# Altium PCB FPGA_Board.PcbDoc (part 1 of 3) (continued)
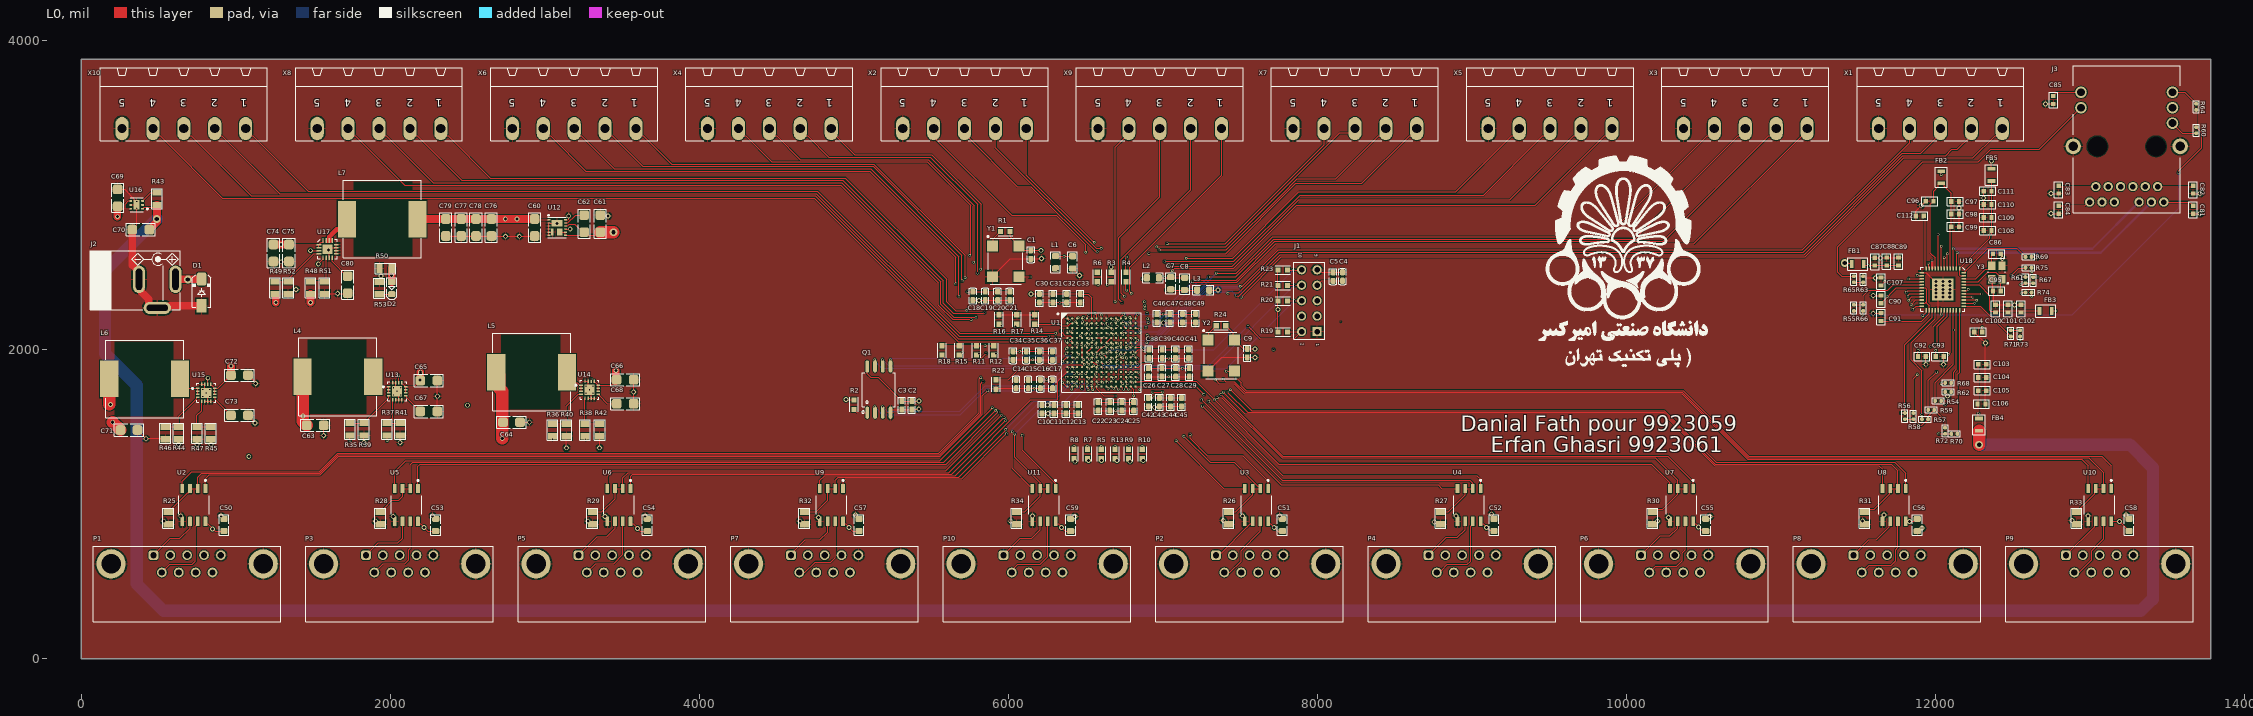
[diagram p0: L0 view]
## Components (designator, comment, footprint, x,y, rotation, side; value= is the part's Value field where it differs from the comment)
C1 "Capacitor C SMD 0603" C0603 6145,2615 r90 top value=100nf
C2 "Capacitor C SMD 0603" C0603 5375,1640 r90 top value=1uf
C3 "Capacitor C SMD 0603" C0603 5310,1640 r90 top value=100nf
C4 "Capacitor C SMD 0603" C0603 8161.5,2472.99 r270 top value=1uf
C5 "Capacitor C SMD 0603" C0603 8100,2472.56 r270 top value=100nf
C6 "Capacitor C SMD 0805" C0805 6415,2565 r270 top value=10uf
C7 "Capacitor C SMD 0805" C0805 7050,2430 r270 top value=100nf
C8 "Capacitor C SMD 0805" C0805 7140,2425 r270 top value=4.7uf
C9 "Capacitor C SMD 0603" C0603 7545,1977.44 r90 top value=100nf
C10 "Capacitor C SMD 0603" C0603 6217.44,1615 r90 top value=4.7uf
C11 "Capacitor C SMD 0603" C0603 6294.96,1615 r90 top value=1uf
C12 "Capacitor C SMD 0603" C0603 6372.48,1615 r90 top value=100nf
C13 "Capacitor C SMD 0603" C0603 6450,1615 r90 top value=10nf
C14 "Capacitor C SMD 0603" C0603 6050,1777.44 r90 top value=4.7uf
C15 "Capacitor C SMD 0603" C0603 6128.33,1777.44 r90 top value=1uf
C16 "Capacitor C SMD 0603" C0603 6206.67,1777.44 r90 top value=100nf
C17 "Capacitor C SMD 0603" C0603 6285,1777.44 r90 top value=10nf
C18 "Capacitor C SMD 0603" C0603 5770,2347.44 r90 top value=4.7uf
C19 "Capacitor C SMD 0603" C0603 5850,2347.44 r90 top value=1uf
C20 "Capacitor C SMD 0603" C0603 5930,2347.44 r90 top value=100nf
C21 "Capacitor C SMD 0603" C0603 6010,2347.44 r90 top value=10nf
C22 "Capacitor C SMD 0603" C0603 6580,1632.44 r90 top value=4.7uf
C23 "Capacitor C SMD 0603" C0603 6656.67,1632.44 r90 top value=1uf
C24 "Capacitor C SMD 0603" C0603 6733.33,1632.44 r90 top value=100nf
C25 "Capacitor C SMD 0603" C0603 6810,1632.44 r90 top value=10nf
C26 "Capacitor C SMD 0603" C0603 6905,1852.44 r90 top value=4.7uf
C27 "Capacitor C SMD 0603" C0603 6993.33,1852.44 r90 top value=1uf
C28 "Capacitor C SMD 0603" C0603 7081.67,1852.44 r90 top value=100nf
C29 "Capacitor C SMD 0603" C0603 7170,1852.44 r90 top value=10nf
C30 "Capacitor C SMD 0603" C0603 6200,2332.44 r90 top value=4.7uf
C31 "Capacitor C SMD 0603" C0603 6288.33,2332.44 r90 top value=1uf
C32 "Capacitor C SMD 0603" C0603 6376.67,2332.44 r90 top value=100nf
C33 "Capacitor C SMD 0603" C0603 6465,2332.44 r90 top value=10nf
C34 "Capacitor C SMD 0603" C0603 6030,1961.5 r90 top value=4.7uf
C35 "Capacitor C SMD 0603" C0603 6115,1961.5 r90 top value=1uf
C36 "Capacitor C SMD 0603" C0603 6200,1961.5 r90 top value=100nf
C37 "Capacitor C SMD 0603" C0603 6285,1961.5 r90 top value=10nf
C38 "Capacitor C SMD 0603" C0603 6910,1972.44 r90 top value=4.7uf
C39 "Capacitor C SMD 0603" C0603 6995,1972.44 r90 top value=1uf
C40 "Capacitor C SMD 0603" C0603 7080,1972.44 r90 top value=100nf
C41 "Capacitor C SMD 0603" C0603 7165,1972.44 r90 top value=10nf
C42 "Capacitor C SMD 0603" C0603 6905,1660 r90 top value=4.7uf
C43 "Capacitor C SMD 0603" C0603 6976.67,1660 r90 top value=1uf
C44 "Capacitor C SMD 0603" C0603 7048.33,1660 r90 top value=100nf
C45 "Capacitor C SMD 0603" C0603 7120,1660 r90 top value=10nf
C46 "Capacitor C SMD 0603" C0603 6960,2202.56 r90 top value=4.7uf
C47 "Capacitor C SMD 0603" C0603 7043.33,2202.56 r90 top value=1uf
C48 "Capacitor C SMD 0603" C0603 7126.67,2202.56 r90 top value=100nf
C49 "Capacitor C SMD 0603" C0603 7210,2202.56 r90 top value=10nf
C50 "Capacitor C SMD 0805" C0805 925,865.63 r270 top value=100nf
C51 "Capacitor C SMD 0805" C0805 7772.22,865.63 r270 top value=100nf
C52 "Capacitor C SMD 0805" C0805 9141.67,865.63 r270 top value=100nf
C53 "Capacitor C SMD 0805" C0805 2294.44,865.63 r270 top value=100nf
C54 "Capacitor C SMD 0805" C0805 3663.89,865.63 r270 top value=100nf
C55 "Capacitor C SMD 0805" C0805 10511.11,865.63 r270 top value=100nf
C56 "Capacitor C SMD 0805" C0805 11880,865 r90 top value=100nf
C57 "Capacitor C SMD 0805" C0805 5033.33,865.63 r270 top value=100nf
C58 "Capacitor C SMD 0805" C0805 13250,865.63 r270 top value=100nf
C59 "Capacitor C SMD 0805" C0805 6402.78,865.63 r270 top value=100nf
C60 "Capacitor C SMD 1206" C1206 2935,2790 r90 top value=10uf
C61 "Capacitor C SMD 1206" C1206 3360,2815 r270 top value=10uf
C62 "Capacitor C SMD 1206" C1206 3255,2815 r270 top value=560pf
C63 "Capacitor C SMD 1206" C1206 1515,1510 r180 top value=22uf
C64 "Capacitor C SMD 1206" C1206 2785,1530 r180 top value=22uf
C65 "Capacitor C SMD 1206" C1206 2250,1800 r180 top value=10uf
C66 "Capacitor C SMD 1206" C1206 3520,1805 r180 top value=10uf
C67 "Capacitor C SMD 1206" C1206 2250,1600 r180 top value=3.3nf
C68 "Capacitor C SMD 1206" C1206 3520,1650 r180 top value=3.3nf
C69 "Capacitor C SMD 1206" C1206 236.61,2981.65 r270 top value=22uf
C70 "Capacitor C SMD 1206" C1206 386.61,2776.65 r0 top value=10uf
C71 "Capacitor C SMD 1206" C1206 310,1480 r180 top value=22uf
C72 "Capacitor C SMD 1206" C1206 1025,1835 r180 top value=10uf
C73 "Capacitor C SMD 1206" C1206 1025,1575 r180 top value=3.3nf
C74 "Capacitor C SMD 1206" C1206 1245,2625 r90 top value=10uf
C75 "Capacitor C SMD 1206" C1206 1345,2625 r90 top value=10uf
C76 "Capacitor C SMD 1206" C1206 2655,2790 r90 top value=22uf
C77 "Capacitor C SMD 1206" C1206 2460,2790.12 r90 top value=10uf
C78 "Capacitor C SMD 1206" C1206 2555,2790 r90 top value=10uf
C79 "Capacitor C SMD 1206" C1206 2360,2790 r90 top value=10uf
C80 "Capacitor C SMD 1206" C1206 1725,2420 r90 top value=10uf
C81 "100n" C0603_small 13665,2905 r90 top value=100nF
C82 "100n" C0603_small 13665,3035 r90 top value=100nF
C83 "100n" C0603_small 12795,3035 r90 top value=100nF
C84 "100n" C0603_small 12795,2905 r90 top value=100nF
C85 "100n" C0603_small 12760,3615 r270 top value=100nF
C86 "22pF" C0603_small 12395,2620 r0 top
C87 "10u" C0603_small 11605,2569.41 r90 top value=10µF
C88 "100n" C0603_small 11682.14,2570.59 r90 top value=100nF
C89 "10n" C0603_small 11759.29,2570 r90 top value=10nF
C90 "10n" C0603_small 11645,2325 r90 top value=10nF
C91 "10n" C0603_small 11645,2210.59 r90 top value=10nF
C92 "10n" C0603_small 11910,1955 r0 top value=10nF
C93 "10n" C0603_small 12025,1955 r0 top value=10nF
C94 "10n" C0603_small 12274.41,2115 r180 top value=10nF
C95 "22pF" C0603_small 12395,2380 r180 top
C96 "10u" C0603_small 11960,2960 r180 top value=10µF
C97 "100n" C0603_small 12125,2958.33 r0 top value=100nF
C98 "10n" C0603_small 12125,2876.67 r0 top value=10nF
C99 "10n" C0603_small 12125,2795 r0 top value=10nF
C100 "10u" C0603_small 12385,2265 r90 top value=10µF
C101 "100n" C0603_small 12467.5,2265 r90 top value=100nF
C102 "10n" C0603_small 12550,2265 r90 top value=10nF
C103 "10u" C0603_small 12300,1905 r0 top value=10µF
C104 "100n" C0603_small 12300,1819.58 r0 top value=100nF
C105 "10n" C0603_small 12300,1734.17 r0 top value=10nF
C106 "10n" C0603_small 12295,1648.75 r0 top value=10nF
C107 "10n" C0603_small 11645,2440.59 r90 top value=10nF
C108 "10u" C0603_small 12335,2770 r180 top value=10µF
C109 "100n" C0603_small 12335,2855 r180 top value=100nF
C110 "10n" C0603_small 12335,2940 r180 top value=10nF
C111 "10n" C0603_small 12335,3025 r180 top value=10nF
C112 "10n" C0603_small 11895.59,2865 r180 top value=10nF
D1 "1N4007 SMD M7" D_SMA 780,2370 r90 top value=1N4007
D2 "LED SMD 0805" "LED SMD 0805 (Blue)" 2010,2398.19 r270 top
FB1 "BLM18KG101TN1D" R0805_small 11495,2555 r0 top
FB2 "BLM18KG101TN1D" R0805_small 12035,3115 r270 top
FB3 "BLM15AX601SN1D" R0805_small 12710,2250 r180 top
FB4 "BLM18KG101TN1D" R0805_small 12280,1515 r90 top
FB5 "BLM18KG101TN1D" R0805_small 12360,3130 r270 top
J1 "Header 5X2" HDR2X5 7997.01,2116.5 r90 top
J2 "Power Jack" "POWER J1" 611.22,2455 r90 top
J3 "L829-1J1T-43" L829-1J1T-43 13235,3360 r0 top
L1 "Inductor SMD NC 0805" L0805 6305,2565.63 r90 top value=200ohm
L2 "Inductor SMD NC 0805" L0805 6934.37,2465 r0 top value=200ohm
L3 "Inductor SMD NC 0805" L0805 7260,2385 r0 top value=200ohm
L4 "Inductor SMD Cored" L_12 1661.65,1825 r180 top value="1uH 2.5A"
L5 "Inductor SMD Cored" L_12 2915,1855 r180 top value="2.2uH 6.3A"
L6 "Inductor SMD Cored" L_12 411.65,1810 r180 top value="1uH 2.5A"
L7 "Inductor SMD Cored" L_12 1948.35,2845 r0 top value="2.2uH 6.3A"
P1 "618009231221" 618009231221 686.69,484.17 r0 top
P2 "618009231221" 618009231221 7560.75,484.17 r0 top
P3 "618009231221" 618009231221 2061.51,484.17 r0 top
P4 "618009231221" 618009231221 8935.56,484.17 r0 top
P5 "618009231221" 618009231221 3436.32,484.17 r0 top
P6 "618009231221" 618009231221 10310.38,484.17 r0 top
P7 "618009231221" 618009231221 4811.13,484.17 r0 top
P8 "618009231221" 618009231221 11685.19,484.17 r0 top
P9 "618009231221" 618009231221 13060,484.17 r0 top
P10 "618009231221" 618009231221 6185.94,484.17 r0 top
Q1 "W25Q128FVSG" SO_8_W 5162.01,1741.5 r90 top
R1 "Resistor SMD 0603" SMD-0603-RES 5980,2765 r90 top value=10K
R2 "Resistor SMD 0603" SMD-0603-RES 5000,1643.87 r180 top value=10K
R3 "Resistor SMD 0603" SMD-0603-RES 6665,2470 r0 top value=10K
R4 "Resistor SMD 0603" SMD-0603-RES 6760,2470 r0 top value=10K
R5 "Resistor SMD 0603" SMD-0603-RES 6600.77,1325 r0 top value=10K
R6 "Resistor SMD 0603" SMD-0603-RES 6575,2470 r180 top value=10K
R7 "Resistor SMD 0603" SMD-0603-RES 6512.42,1325 r0 top value=10K
R8 "Resistor SMD 0603" SMD-0603-RES 6424.06,1325 r0 top value=10K
R9 "Resistor SMD 0603" SMD-0603-RES 6777.48,1325 r0 top value=10K
R10 "Resistor SMD 0603" SMD-0603-RES 6865.83,1325 r0 top value=10K
R11 "Resistor SMD 0603" SMD-0603-RES 5793.33,1995 r0 top value=10K
R12 "Resistor SMD 0603" SMD-0603-RES 5905,1995 r0 top value=10K
R13 "Resistor SMD 0603" SMD-0603-RES 6689.12,1325 r0 top value=10K
R14 "Resistor SMD 0603" SMD-0603-RES 6170,2195 r180 top value=10K
R15 "Resistor SMD 0603" SMD-0603-RES 5681.67,1995 r0 top value=80.6K
R16 "Resistor SMD 0603" SMD-0603-RES 5937.99,2195 r180 top value=10K
R17 "Resistor SMD 0603" SMD-0603-RES 6054,2195 r180 top value=80.6K
R18 "Resistor SMD 0603" SMD-0603-RES 5570,1995 r0 top value=10K
R19 "Resistor SMD 0603" SMD-0603-RES 7774.49,2115 r270 top value=10K
R20 "Resistor SMD 0603" SMD-0603-RES 7774.49,2315 r270 top value=10K
R21 "Resistor SMD 0603" SMD-0603-RES 7774.49,2415 r270 top value=10K
R22 "Resistor SMD 0603" SMD-0603-RES 5920,1774.49 r0 top value=10K
R23 "Resistor SMD 0603" SMD-0603-RES 7774.49,2515 r270 top value=10K
R24 "Resistor SMD 0603" SMD-0603-RES 7375,2155 r90 top value=10K
R25 "Resistor SMD 0805" SMD-0805-RES 565,910 r180 top value=10K
R26 "Resistor SMD 0805" SMD-0805-RES 7423.33,910 r180 top value=10K
R27 "Resistor SMD 0805" SMD-0805-RES 8795,910 r180 top value=10K
R28 "Resistor SMD 0805" SMD-0805-RES 1936.67,910 r180 top value=10K
R29 "Resistor SMD 0805" SMD-0805-RES 3308.33,910 r180 top value=10K
R30 "Resistor SMD 0805" SMD-0805-RES 10166.67,910 r180 top value=10K
R31 "Resistor SMD 0805" SMD-0805-RES 11538.33,910 r180 top value=10K
R32 "Resistor SMD 0805" SMD-0805-RES 4680,910 r180 top value=10K
R33 "Resistor SMD 0805" SMD-0805-RES 12910,910 r180 top value=10K
R34 "Resistor SMD 0805" SMD-0805-RES 6051.67,910 r180 top value=10K
R35 "Resistor SMD 0805" SMD-0805-RES 1740,1485 r0 top value=13K
R36 "Resistor SMD 0805" SMD-0805-RES 3050,1480 r0 top value=240R
R37 "Resistor SMD 0805" SMD-0805-RES 1980,1485 r0 top value=1K
R38 "Resistor SMD 0805" SMD-0805-RES 3260,1480 r0 top value=4.99K
R39 "Resistor SMD 0805" SMD-0805-RES 1830,1485 r180 top value=15K
R40 "Resistor SMD 0805" SMD-0805-RES 3140,1480 r180 top value=4.99K
R41 "Resistor SMD 0805" SMD-0805-RES 2065,1485 r180 top value=4.99K
R42 "Resistor SMD 0805" SMD-0805-RES 3355,1480 r180 top value=20K
R43 "Resistor SMD 0805" SMD-0805-RES 491.61,2976.65 r0 top value=1K
R44 "Resistor SMD 0805" SMD-0805-RES 630,1460 r0 top value=18.7K
R45 "Resistor SMD 0805" SMD-0805-RES 840,1460 r0 top value=1K
R46 "Resistor SMD 0805" SMD-0805-RES 545,1460 r180 top value=15K
R47 "Resistor SMD 0805" SMD-0805-RES 750,1460 r180 top value=4.99K
R48 "Resistor SMD 0805" SMD-0805-RES 1485,2400 r0 top value=10K
R49 "Resistor SMD 0805" SMD-0805-RES 1255,2400 r0 top value=10K
R50 "Resistor SMD 0805" SMD-0805-RES 1970,2525 r90 top value=10R
R51 "Resistor SMD 0805" SMD-0805-RES 1575,2400 r180 top value=10K
R52 "Resistor SMD 0805" SMD-0805-RES 1340,2400 r180 top value=10K
R53 "Resistor SMD 0805" SMD-0805-RES 1930,2398.19 r0 top value=10K
R54 "10k" R0402 12015,1668.33 r180 top
R55 "10k" R0402 11470,2270 r270 top
R56 "10k" R0402 11800,1570.32 r270 top
R57 "10k" R0402 11930,1550 r0 top
R58 "10k" R0402 11855,1570 r270 top
R59 "10k" R0402 11970,1610 r0 top
R60 "0R" R0402 13685,3420 r90 top
R61 "1k" R0402 12580,2450 r270 top
R62 "1k" R0402 12080,1726.67 r0 top
R63 "1k" R0402 11530,2455 r270 top
R64 "0R" R0402 13685,3570.31 r270 top
R65 "220R" R0402 11470,2455.32 r90 top
R66 "220R" R0402 11530,2270 r270 top
R67 "22R" R0402 12630,2449.68 r90 top
R68 "22R" R0402 12080,1785 r0 top
R69 "12k1" R0402 12599.68,2600 r0 top
R70 "22R" R0402 12120,1455 r0 top
R71 "22R" R0402 12485,2105 r270 top
R72 "4k99" R0402 12060,1475 r90 top
R73 "1k" R0402 12545,2105 r270 top
R74 "4k99" R0402 12599.68,2370 r0 top
R75 "10k" R0402 12599.68,2530 r0 top
U1 "XC7Z010-1CLG225I" CLG225 6602.01,1981.5 r0 top
U2 "THVD1400DR" FP-D0008A-MFG 730,995 r270 top
U3 "THVD1400DR" FP-D0008A-MFG 7605,995 r270 top
U4 "THVD1400DR" FP-D0008A-MFG 8980,995 r270 top
U5 "THVD1400DR" FP-D0008A-MFG 2105,995 r270 top
U6 "THVD1400DR" FP-D0008A-MFG 3480,995 r270 top
U7 "THVD1400DR" FP-D0008A-MFG 10355,995 r270 top
U8 "THVD1400DR" FP-D0008A-MFG 11730,995 r270 top
U9 "THVD1400DR" FP-D0008A-MFG 4855,995 r270 top
U10 "THVD1400DR" FP-D0008A-MFG 13060,995 r270 top
U11 "THVD1400DR" FP-D0008A-MFG 6230,995 r270 top
U12 "MIC33050-4YHL TR" MLF_3x3_12PINS 3080,2790 r0 top
U13 "TLV62130RGTR" FP-RGT0016C-MFG 2045,1730 r0 top
U14 "TLV62130RGTR" FP-RGT0016C-MFG 3290,1740 r0 top
U15 "TLV62130RGTR" FP-RGT0016C-MFG 810,1720 r0 top
U16 "TPS7A2633DRVR" FP-DRV0006A-MFG 360,2936.65 r180 top
U17 "ISL8024AIRTAJZ-T7A" 16-TQFN_3mmx3mm_V1.1 1595,2650 r0 top
U18 "KSZ9031RNXIA" QFN48_SMALL_EP_7MMX7MM 12045,2390 r270 top
X1 "Phoenix MSTBA 05" CON_MSTBA05 12030,3430 r180 top
X2 "Phoenix MSTBA 05" CON_MSTBA05 5716.11,3430 r180 top
X3 "Phoenix MSTBA 05" CON_MSTBA05 10767.22,3430 r180 top
X4 "Phoenix MSTBA 05" CON_MSTBA05 4453.33,3430 r180 top
X5 "Phoenix MSTBA 05" CON_MSTBA05 9504.44,3430 r180 top
X6 "Phoenix MSTBA 05" CON_MSTBA05 3190.55,3430 r180 top
X7 "Phoenix MSTBA 05" CON_MSTBA05 8241.67,3430 r180 top
X8 "Phoenix MSTBA 05" CON_MSTBA05 1927.78,3430 r180 top
X9 "Phoenix MSTBA 05" CON_MSTBA05 6978.89,3430 r180 top
X10 "Phoenix MSTBA 05" CON_MSTBA05 665,3430 r180 top
Y1 "Osillator_50MHz" Crystal_osc_5x7mm 5982.01,2571.5 r0 top
Y2 "Osillator_50MHz" Crystal_osc_5x7mm 7377.01,1961.5 r0 top
Y3 "25.000MHz" ABM8G 12395,2500 r90 top

## Footprints (in the part's own frame and the unit in brackets; to place one, negate y for a bottom-side part, rotate by r counter-clockwise, add the part's x,y. Pads: shape width x height; smd on the part's side, far side on the other; paste and mask are expansions set on the pad)
16-TQFN_3mmx3mm_V1.1 [mm]
  rect 0.78x0.23 smd mask+0.03: 1(-1.41,0.75) 2(-1.41,0.25) 3(-1.41,-0.25) 4(-1.41,-0.75) 9(1.41,-0.75) 10(1.41,-0.25) 11(1.41,0.25) 12(1.41,0.75)
  rect 0.23x0.78 smd mask+0.03: 5(-0.75,-1.41) 6(-0.25,-1.41) 7(0.25,-1.41) 8(0.75,-1.41) 13(0.75,1.41) 14(0.25,1.41) 15(-0.25,1.41) 16(-0.75,1.41)
  rect 1.6x1.6 smd mask+0.03: 17(0,0)
  silkscreen extent -1.6,-1.6 1.6,1.6, body extent -1.5,-1.5 1.5,1.5, height 0.9
618009231221 [mm] "9 pins, right angled, 8.08mm, with hex screw"
  rrect50% 1.6x1.6 hole 1.04: 1(-5.54,4.72)
  round 1.6 hole 1.04: 2(-2.77,4.72) 3(0,4.72) 4(2.77,4.72) 5(5.54,4.72) 6(-4.155,1.88) 7(-1.385,1.88) 8(1.385,1.88) 9(4.155,1.88)
  round 4.8 hole 3.2: M1(-12.5,3.3) M2(12.5,3.3)
  silkscreen extent -15.4,-6.2 15.4,6.2, body extent -15.4,-12.2 15.4,6.2, height 12.57
ABM8G [mm]
  rect 1.4x1.2 smd mask+0.1: 1(-1.1,-0.85) 2(1.1,-0.85) 3(1.1,0.85) 4(-1.1,0.85)
  silkscreen extent -1.9,-1.9 0.1,1.4, body extent -1.6,-1.25 1.6,1.25, height 1.02
C0603 [mm] "CHIP Capacitor, 1.6X0.8mm, 0603 www.smartw.ir"
  rrect50% 1x0.8 smd mask+0.075: 1(-0.7,0) 2(0.7,0)
  silkscreen extent -1.33,-0.6 1.32,0.6, body extent -0.8,-0.4 0.8,0.4, height 0.9
C0603_small [mm]
  rect 0.7x0.8 smd: 1(-0.65,0) 2(0.65,0)
  silkscreen extent -1.3,-0.7 1.3,0.7, body extent -0.8,-0.42 0.8,0.44, height 0.95
C0805 [mm] "CHIP Capacitor, 2.0X1.3mm, 0805 www.smartw.ir"
  rrect50% 1x1.2 smd mask+0.075: 1(-1,0) 2(1,0)
  L0 pour cut-out: -0.5,0.8 0.5,0.8 0.5,-0.8 -0.5,-0.8
  silkscreen extent -1.7,-0.8 1.7,0.8, body extent -1,-0.62 1,0.63, height 1
C1206 [mm] "CHIP Capacitor, 3.2X1.6mm, 1206 www.smartw.ir"
  rrect50% 1.6x1.6 smd mask+0.075: 1(-1.4,0) 2(1.4,0)
  L0 pour cut-out: -0.8,1 -0.8,-1 0.8,-1 0.8,1
  silkscreen extent -2.4,-1 2.4,1, body extent -1.6,-0.8 1.6,0.8, height 1
CLG225 [mm] "BGA, 225-Balls, Body 13x13mm, Pitch 0.8mm"
  round 0.35 smd: A1(-5.6,5.6) A2(-4.8,5.6) A3(-4,5.6) A4(-3.2,5.6) A5(-2.4,5.6) A6(-1.6,5.6) A7(-0.8,5.6) A8(0,5.6) A9(0.8,5.6) A10(1.6,5.6) A11(2.4,5.6) A12(3.2,5.6) A13(4,5.6) A14(4.8,5.6) A15(5.6,5.6) B1(-5.6,4.8) B2(-4.8,4.8) B3(-4,4.8) B4(-3.2,4.8) B5(-2.4,4.8) B6(-1.6,4.8) B7(-0.8,4.8) B8(0,4.8) B9(0.8,4.8) B10(1.6,4.8) B11(2.4,4.8) B12(3.2,4.8) B13(4,4.8) B14(4.8,4.8) B15(5.6,4.8) C1(-5.6,4) C2(-4.8,4) C3(-4,4) C4(-3.2,4) C5(-2.4,4) C6(-1.6,4) C7(-0.8,4) C8(0,4) C9(0.8,4) C10(1.6,4) C11(2.4,4) C12(3.2,4) C13(4,4) C14(4.8,4) C15(5.6,4) D1(-5.6,3.2) D2(-4.8,3.2) D3(-4,3.2) D4(-3.2,3.2) D5(-2.4,3.2) D6(-1.6,3.2) D7(-0.8,3.2) D8(0,3.2) D9(0.8,3.2) D10(1.6,3.2) D11(2.4,3.2) D12(3.2,3.2) D13(4,3.2) D14(4.8,3.2) D15(5.6,3.2) E1(-5.6,2.4) E2(-4.8,2.4) E3(-4,2.4) E4(-3.2,2.4) E5(-2.4,2.4) E6(-1.6,2.4) E7(-0.8,2.4) E8(0,2.4) E9(0.8,2.4) E10(1.6,2.4) E11(2.4,2.4) E12(3.2,2.4) E13(4,2.4) E14(4.8,2.4) E15(5.6,2.4) F1(-5.6,1.6) F2(-4.8,1.6) F3(-4,1.6) F4(-3.2,1.6) F5(-2.4,1.6) F6(-1.6,1.6) F7(-0.8,1.6) F8(0,1.6) F9(0.8,1.6) F10(1.6,1.6) F11(2.4,1.6) F12(3.2,1.6) F13(4,1.6) F14(4.8,1.6) F15(5.6,1.6) G1(-5.6,0.8) G2(-4.8,0.8) G3(-4,0.8) G4(-3.2,0.8) G5(-2.4,0.8) G6(-1.6,0.8) G7(-0.8,0.8) G8(0,0.8) G9(0.8,0.8) G10(1.6,0.8) G11(2.4,0.8) G12(3.2,0.8) G13(4,0.8) G14(4.8,0.8) G15(5.6,0.8) H1(-5.6,0) H2(-4.8,0) H3(-4,0) H4(-3.2,0) H5(-2.4,0) H6(-1.6,0) H7(-0.8,0) H8(0,0) H9(0.8,0) H10(1.6,0) H11(2.4,0) H12(3.2,0) H13(4,0) H14(4.8,0) H15(5.6,0) J1(-5.6,-0.8) J2(-4.8,-0.8) J3(-4,-0.8) J4(-3.2,-0.8) J5(-2.4,-0.8) J6(-1.6,-0.8) J7(-0.8,-0.8) J8(0,-0.8) J9(0.8,-0.8) J10(1.6,-0.8) J11(2.4,-0.8) J12(3.2,-0.8) J13(4,-0.8) J14(4.8,-0.8) J15(5.6,-0.8) K1(-5.6,-1.6) K2(-4.8,-1.6) K3(-4,-1.6) K4(-3.2,-1.6) K5(-2.4,-1.6) K6(-1.6,-1.6) K7(-0.8,-1.6) K8(0,-1.6) K9(0.8,-1.6) K10(1.6,-1.6) K11(2.4,-1.6) K12(3.2,-1.6) K13(4,-1.6) K14(4.8,-1.6) K15(5.6,-1.6) L1(-5.6,-2.4) L2(-4.8,-2.4) L3(-4,-2.4) L4(-3.2,-2.4) L5(-2.4,-2.4) L6(-1.6,-2.4) L7(-0.8,-2.4) L8(0,-2.4) L9(0.8,-2.4) L10(1.6,-2.4) L11(2.4,-2.4) L12(3.2,-2.4) L13(4,-2.4) L14(4.8,-2.4) L15(5.6,-2.4) M1(-5.6,-3.2) M2(-4.8,-3.2) M3(-4,-3.2) M4(-3.2,-3.2) M5(-2.4,-3.2) M6(-1.6,-3.2) M7(-0.8,-3.2) M8(0,-3.2) M9(0.8,-3.2) M10(1.6,-3.2) M11(2.4,-3.2) M12(3.2,-3.2) M13(4,-3.2) M14(4.8,-3.2) M15(5.6,-3.2) N1(-5.6,-4) N2(-4.8,-4) N3(-4,-4) N4(-3.2,-4) N5(-2.4,-4) N6(-1.6,-4) N7(-0.8,-4) N8(0,-4) N9(0.8,-4) N10(1.6,-4) N11(2.4,-4) N12(3.2,-4) N13(4,-4) N14(4.8,-4) N15(5.6,-4) P1(-5.6,-4.8) P2(-4.8,-4.8) P3(-4,-4.8) P4(-3.2,-4.8) P5(-2.4,-4.8) P6(-1.6,-4.8) P7(-0.8,-4.8) P8(0,-4.8) P9(0.8,-4.8) P10(1.6,-4.8) P11(2.4,-4.8) P12(3.2,-4.8) P13(4,-4.8) P14(4.8,-4.8) P15(5.6,-4.8) R1(-5.6,-5.6) R2(-4.8,-5.6) R3(-4,-5.6) R4(-3.2,-5.6) R5(-2.4,-5.6) R6(-1.6,-5.6) R7(-0.8,-5.6) R8(0,-5.6) R9(0.8,-5.6) R10(1.6,-5.6) R11(2.4,-5.6) R12(3.2,-5.6) R13(4,-5.6) R14(4.8,-5.6) R15(5.6,-5.6)
  silkscreen extent -7.27,-6.5 6.5,6.5, body extent -6.5,-6.5 6.5,6.5, height 1.5
CON_MSTBA05 [mil] "(www.Smartw.ir)"
  oval 85x150 hole 60: 1(-400,0) 2(-200,0) 3(0,0) 4(200,0) 5(400,0)
  silkscreen extent -540,-395 540,80, body extent -540,-392 539,80, height 340
Crystal_osc_5x7mm [mm]
  rect 1.8x1.8 smd: 1(-2.184,2.54) 2(-2.184,-2.54) 3(2.184,-2.54) 4(2.184,2.54)
  silkscreen extent -3.02,-3.81 2.82,4.21, body extent -2.5,-3.5 2.5,3.5, height 1.31
D_SMA [mm] "SMA Molded Diode, 2-Leads, Body 4.3x2.7mm, SOD-128 (www.Smartw.ir)"
  rect 2.2x1.6 smd: 1(-2.2,0)
  rrect50% 2.2x1.6 smd: 2(2.2,0)
  silkscreen extent -2.4,-1.5 2.9,1.5, body extent -2.75,-1.4 2.75,1.4, height 2.6
FP-D0008A-MFG [mm]
  rrect17% 1.55x0.6 smd paste+0 mask+0: 1(-2.7,1.905) 2(-2.7,0.635) 3(-2.7,-0.635) 4(-2.7,-1.905) 5(2.7,-1.905) 6(2.7,-0.635) 7(2.7,0.635) 8(2.7,1.905)
  silkscreen extent -4.16,-2.5 1.55,2.5, body extent -3.57,-2.75 3.57,2.75, height 0.25
FP-DRV0006A-MFG [mm]
  rrect33% 0.45x0.3 smd paste+0 mask+0: 1(-0.975,0.65) 2(-0.975,0) 3(-0.975,-0.65) 4(0.975,-0.65) 5(0.975,0) 6(0.975,0.65)
  rrect10% 1x1.6 smd paste-1000 mask+0: 7(0,0)
  silkscreen extent -1.88,-1.18 1.05,1.17, body extent -1.3,-1.15 1.3,1.15, height 0.25
FP-RGT0016C-MFG [mm]
  rrect42% 0.6x0.24 smd paste+0 mask+0: 1(-1.4,0.75) 2(-1.4,0.25) 3(-1.4,-0.25) 4(-1.4,-0.75) 9(1.4,-0.75) 10(1.4,-0.25) 11(1.4,0.25) 12(1.4,0.75)
  rrect42% 0.24x0.6 smd paste+0 mask+0: 5(-0.75,-1.4) 6(-0.25,-1.4) 7(0.25,-1.4) 8(0.75,-1.4) 13(0.75,1.4) 14(0.25,1.4) 15(-0.25,1.4) 16(-0.75,1.4)
  rrect6% 1.68x1.68 smd paste-1000 mask+0: 17(0,0)
  silkscreen extent -2.37,-1.55 1.55,1.55, body extent -1.8,-1.8 1.8,1.8, height 0.25
HDR2X5 [mm]
  rect 1.5x1.5 hole 0.9: 1(0,0)
  round 1.5 hole 0.9: 2(0,2.54) 3(2.54,0) 4(2.54,2.54) 5(5.08,0) 6(5.08,2.54) 7(7.62,0) 8(7.62,2.54) 9(10.16,0) 10(10.16,2.54)
  silkscreen extent -1.27,-1.27 11.43,3.81
L0805 [mm] "INDUCTOR, FERRITE BEAD, 0805, 2.0X1.3mm (www.Smartw.ir)"
  rrect50% 1x1.2 smd mask+0.075: 1(-1,0) 2(1,0)
  L0 pour cut-out: -0.5,0.8 0.5,0.8 0.5,-0.8 -0.5,-0.8
  silkscreen extent -1.7,-0.8 1.7,0.8, body extent -1,-0.6 1,0.6, height 0.95
L829-1J1T-43 [mil]
  round 60 hole 35.43: 1(-200,-305) 2(-120,-305) 3(-40,-305) 4(40,-305) 5(120,-305) 6(200,-305) 7(-240,-405) 8(-160,-405) 9(-80,-405) 10(80,-405) 11(160,-405) 12(240,-405)
  round 75 hole 51.18: 13(-296,205) 14(-296,305) 15(296,105) 16(296,205) 17(296,305)
  round 100 hole 63: 18(-346,-45) 19(346,-45)
  round 0 hole 129.92: ""(-190,-45) ""(190,-45)
  silkscreen extent -346,-475 346,475, body extent -401,-472 401,494, height 494
L_12 [mm] "INDUCTOR, 13.5x12.5mm, DR125, CDRH127, D128C 931AS (www.Smartw.ir)"
  rect 3x6 smd: 1(-5.8,0) 2(5.8,0)
  L0 pour cut-out: -4.699,6.096 4.953,6.096 4.953,-6.096 -4.699,-6.096
  silkscreen extent -6.4,-6.4 6.4,6.4, body extent -6.16,-6.15 6.16,6.15, height 8.16
"LED SMD 0805 (Blue)" [mm] "(www.Smartw.ir)"
  rect 1x1.2 smd mask+0.075: 1(-1,0)
  rrect50% 1x1.2 smd mask+0.075: 2(1,0)
  L0 pour cut-out: -0.5,0.8 0.5,0.8 0.5,-0.8 -0.5,-0.8
  silkscreen extent -1.7,-0.8 1.8,0.8, body extent -1,-0.63 1,0.63, height 0.7
MLF_3x3_12PINS [mm]
  rect 0.48x0.23 smd mask+0.076: 1(-1.36,1.25) 2(-1.36,0.75) 3(-1.36,0.25) 4(-1.36,-0.25) 5(-1.36,-0.75) 6(-1.36,-1.25) 7(1.36,-1.25) 8(1.36,-0.75) 9(1.36,-0.25) 10(1.36,0.25) 11(1.36,0.75) 12(1.36,1.25)
  rect 1.8x1.125 smd mask+0.025: 13(0,0.699)
  rect 0.4x1.19 smd mask+0.076: 14(-0.77,-0.73)
  rect 0.9x1.19 smd mask+0.025: 15(0.45,-0.73)
  silkscreen extent -1.52,-1.65 1.52,2.1, body extent -1.52,-1.65 1.52,1.65, height 0.9
"POWER J1" [mm] "DC POWER JACK, Power Jack KLDX-0202"
  oval 4.5x2 hole 1 slot 3.5 at 0 deg: 1(0,0) 2(0,6)
  oval 2x4.5 hole 1 slot 3.5 at 90 deg: 3(-4.7,3)
  silkscreen extent -5,-0.8 4.7,14, body extent -4.9,-0.65 4.5,13.85, height 10.8
QFN48_SMALL_EP_7MMX7MM [mm]
  rect 0.7x0.25 smd mask+0.03: 1(-3.44,2.75) 2(-3.44,2.25) 3(-3.44,1.75) 4(-3.44,1.25) 5(-3.44,0.75) 6(-3.44,0.25) 7(-3.44,-0.25) 8(-3.44,-0.75) 9(-3.44,-1.25) 10(-3.44,-1.75) 11(-3.44,-2.25) 12(-3.44,-2.75) 25(3.44,-2.75) 26(3.44,-2.25) 27(3.44,-1.75) 28(3.44,-1.25) 29(3.44,-0.75) 30(3.44,-0.25) 31(3.44,0.25) 32(3.44,0.75) 33(3.44,1.25) 34(3.44,1.75) 35(3.44,2.25) 36(3.44,2.75)